# KiCad board VGA.kicad_pcb
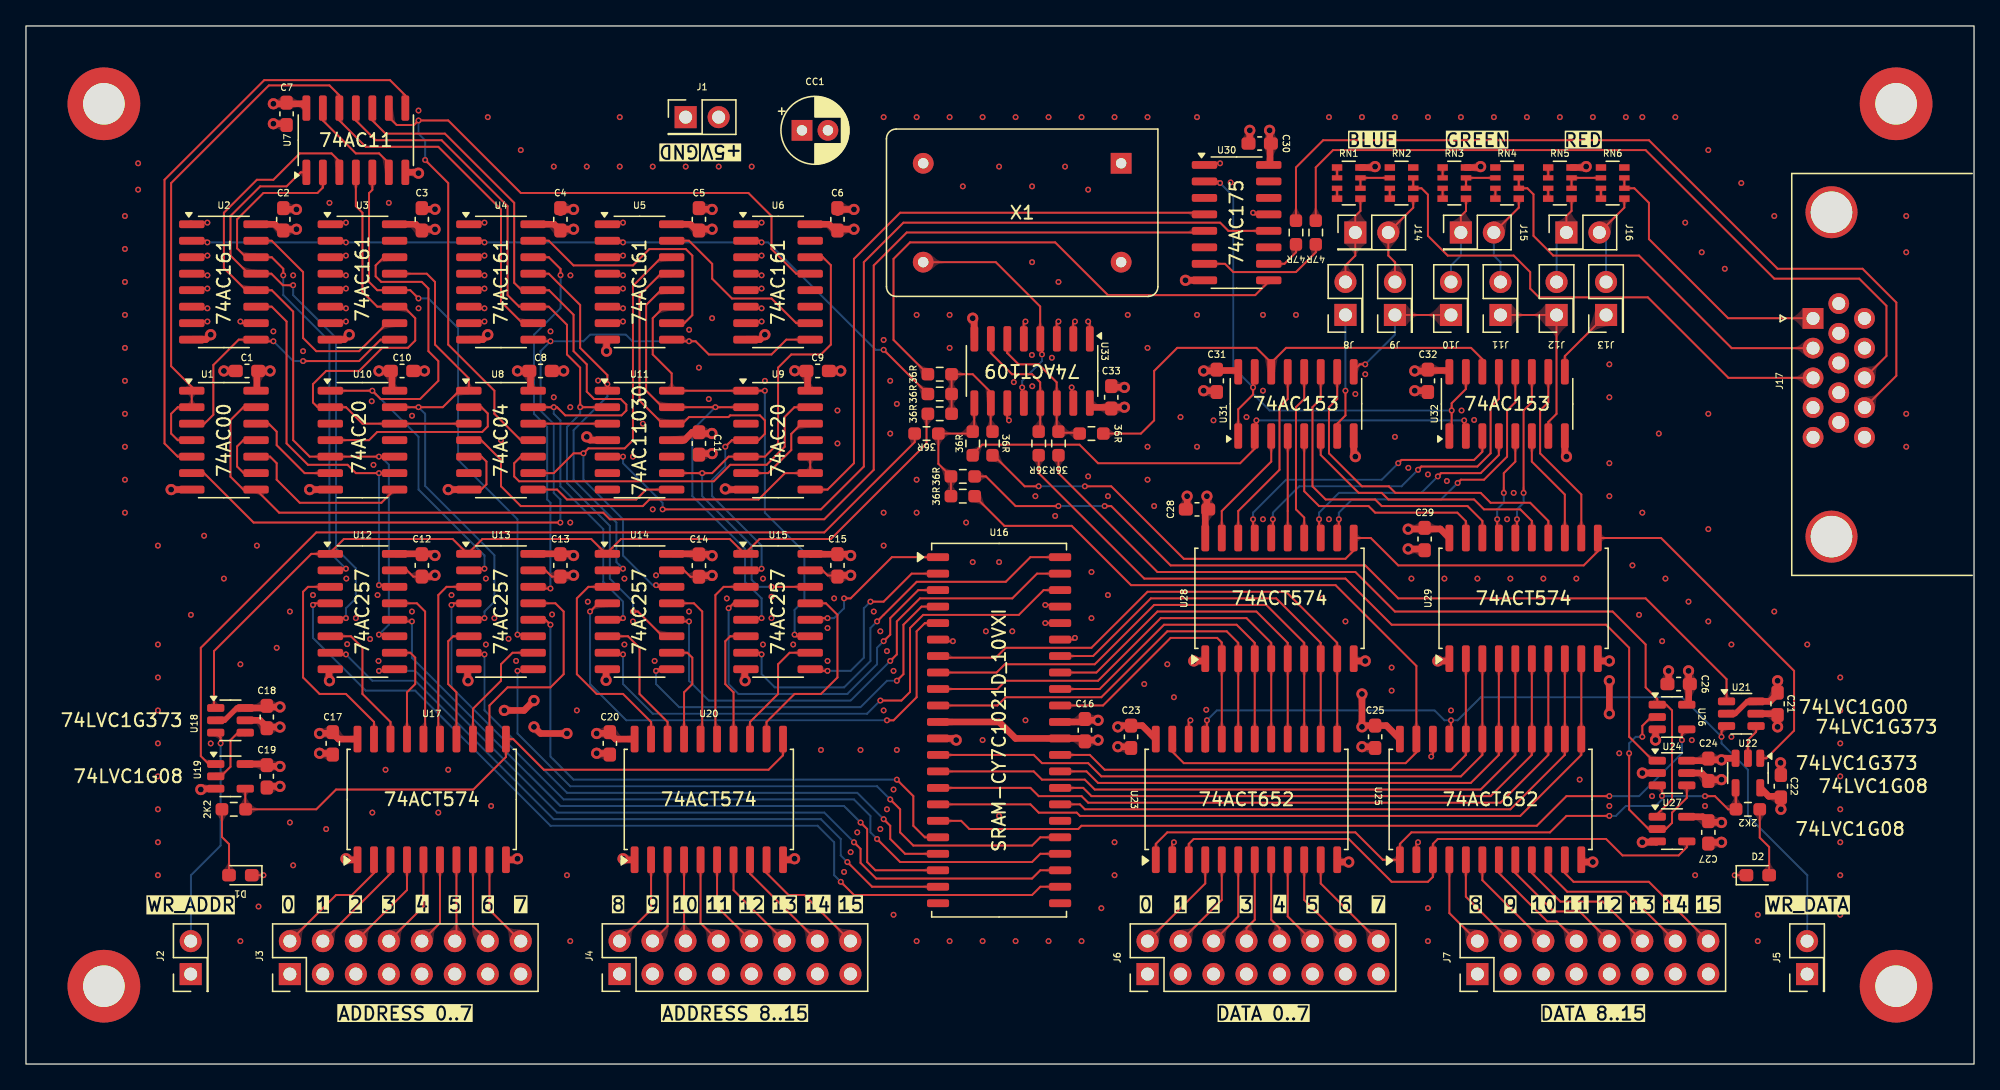
[diagram p0: board, top side]
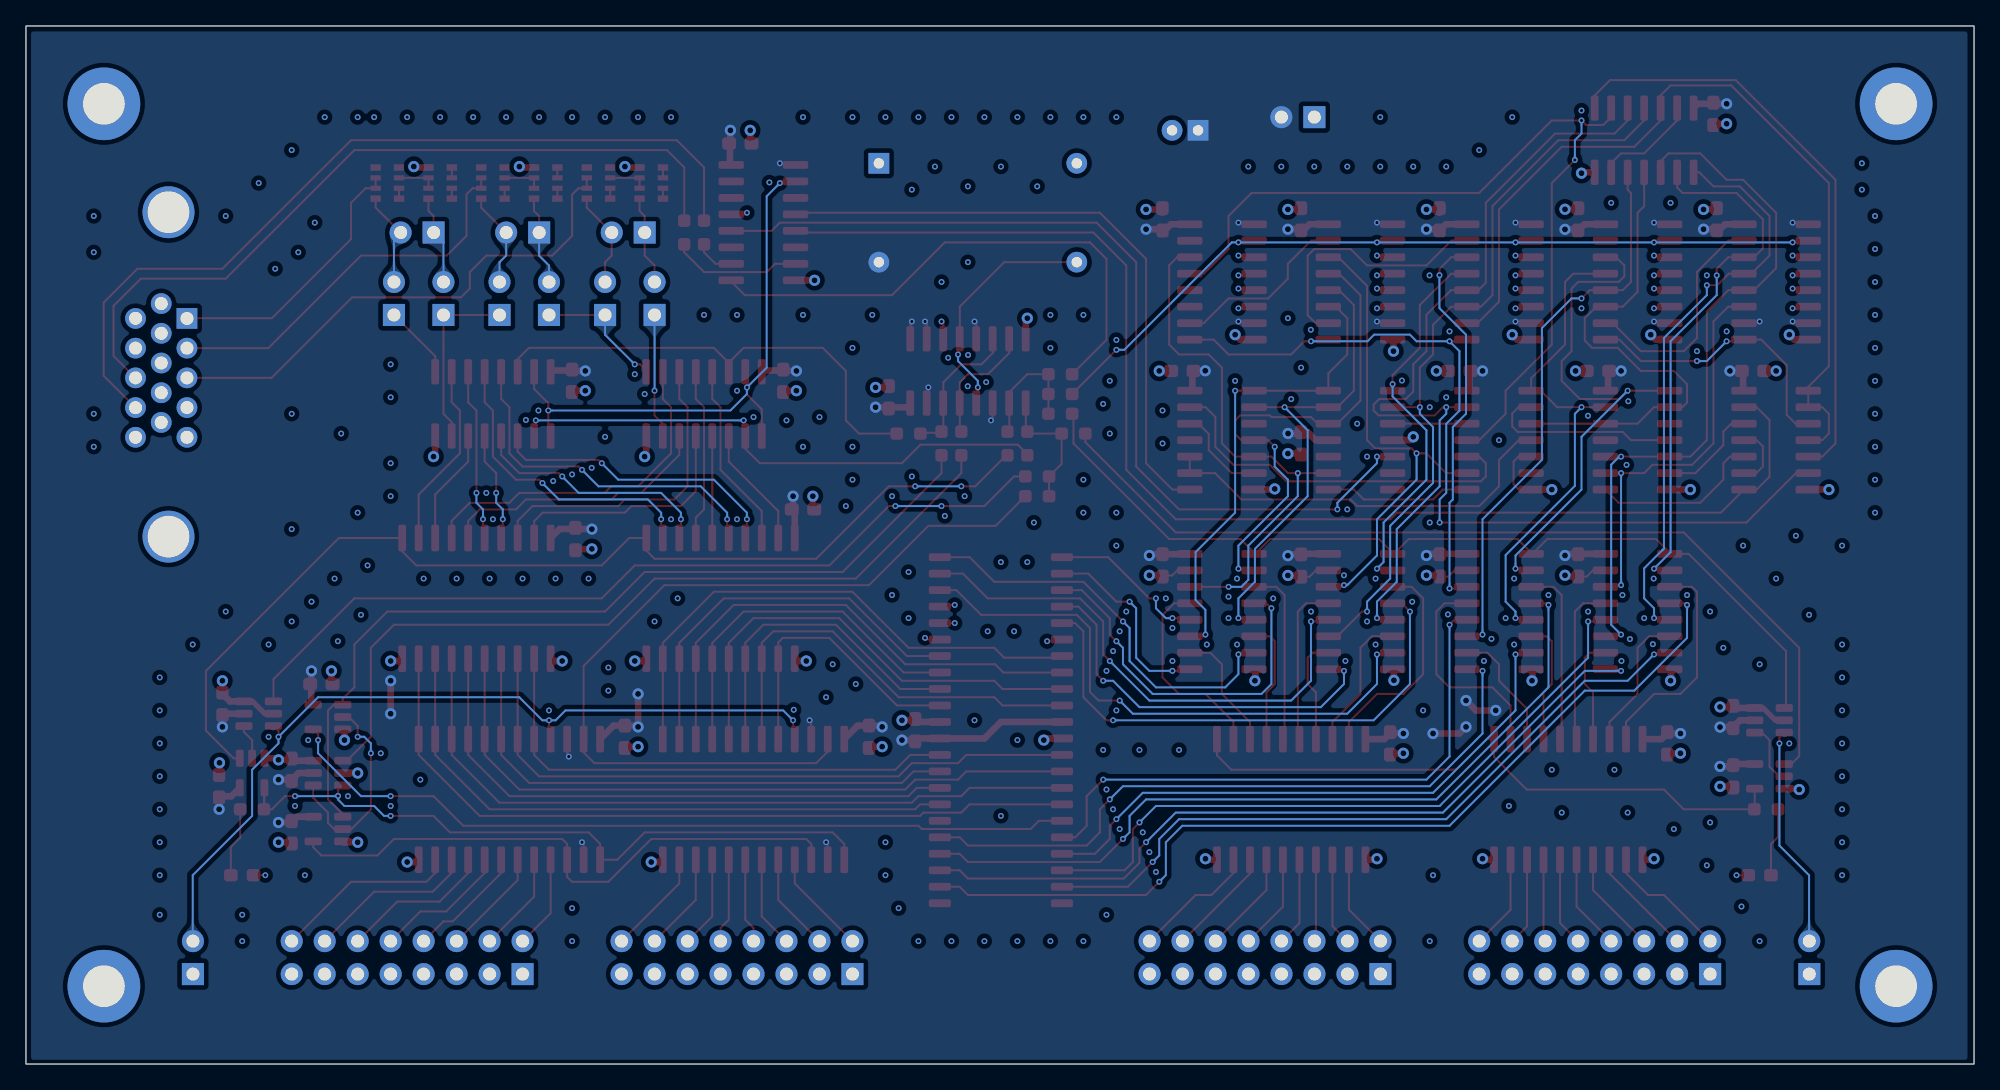
[diagram p1: board, bottom side, seen from below]

Outline 150 x 80 mm; copper layers: Signal, F.GND (plane), B.GND (plane), Signal & Power. Coordinates in mm from the lower left corner of the outline.
Outline path: rectangle 0,80 150,0
Stack: Signal 0.035mm / dielectric 0.1mm FR4 er 4.5 / F.GND 0.035mm / dielectric 1.24mm FR4 er 4.5 / B.GND 0.035mm / dielectric 0.1mm FR4 er 4.5 / Signal & Power 0.035mm

## Placement (name value [footprint] x y rotation side)
C1  22n  [C_0603_1608Metric_Pad1.08x0.95mm_HandSolder]  17.02 53.41 180 top
C2  22n  [C_0603_1608Metric_Pad1.08x0.95mm_HandSolder]  19.81 65.1 90 top
C3  22n  [C_0603_1608Metric_Pad1.08x0.95mm_HandSolder]  30.48 65.1 90 top
C4  22n  [C_0603_1608Metric_Pad1.08x0.95mm_HandSolder]  41.15 65.1 90 top
C5  22n  [C_0603_1608Metric_Pad1.08x0.95mm_HandSolder]  51.82 65.1 90 top
C6  22n  [C_0603_1608Metric_Pad1.08x0.95mm_HandSolder]  62.48 65.1 90 top
C7  22n  [C_0603_1608Metric_Pad1.08x0.95mm_HandSolder]  20.07 73.23 270 top
C8  22n  [C_0603_1608Metric_Pad1.08x0.95mm_HandSolder]  39.62 53.41 0 top
C9  22n  [C_0603_1608Metric_Pad1.08x0.95mm_HandSolder]  60.96 53.41 0 top
C10  22n  [C_0603_1608Metric_Pad1.08x0.95mm_HandSolder]  28.96 53.41 0 top
C11  22n  [C_0603_1608Metric_Pad1.08x0.95mm_HandSolder]  51.82 47.83 270 top
C12  22n  [C_0603_1608Metric_Pad1.08x0.95mm_HandSolder]  30.48 38.43 270 top
C13  22n  [C_0603_1608Metric_Pad1.08x0.95mm_HandSolder]  41.15 38.43 270 top
C14  22n  [C_0603_1608Metric_Pad1.08x0.95mm_HandSolder]  51.82 38.41 270 top
C15  22n  [C_0603_1608Metric_Pad1.08x0.95mm_HandSolder]  62.48 38.43 270 top
C16  22n  [C_0603_1608Metric_Pad1.08x0.95mm_HandSolder]  81.53 25.73 90 top
C17  22n  [C_0603_1608Metric_Pad1.08x0.95mm_HandSolder]  23.62 24.71 270 top
C18  22n  [C_0603_1608Metric_Pad1.08x0.95mm_HandSolder]  18.54 26.74 90 top
C19  22n  [C_0603_1608Metric_Pad1.08x0.95mm_HandSolder]  18.54 22.17 270 top
C20  22n  [C_0603_1608Metric_Pad1.08x0.95mm_HandSolder]  44.96 24.71 270 top
C21  22n  [C_0603_1608Metric_Pad1.08x0.95mm_HandSolder]  134.87 27.76 90 top
C22  22n  [C_0603_1608Metric_Pad1.08x0.95mm_HandSolder]  135.13 21.41 90 top
C23  22n  [C_0603_1608Metric_Pad1.08x0.95mm_HandSolder]  85.09 25.22 270 top
C24  22n  [C_0603_1608Metric_Pad1.08x0.95mm_HandSolder]  129.54 22.68 90 top
C25  22n  [C_0603_1608Metric_Pad1.08x0.95mm_HandSolder]  103.89 25.22 270 top
C26  22n  [C_0603_1608Metric_Pad1.08x0.95mm_HandSolder]  127.25 29.28 180 top
C27  22n  [C_0603_1608Metric_Pad1.08x0.95mm_HandSolder]  129.54 17.85 270 top
C28  22n  [C_0603_1608Metric_Pad1.08x0.95mm_HandSolder]  90.17 42.75 180 top
C29  22n  [C_0603_1608Metric_Pad1.08x0.95mm_HandSolder]  107.7 40.46 270 top
C30  22n  [C_0603_1608Metric_Pad1.08x0.95mm_HandSolder]  95 70.94 180 top
C31  22n  [C_0603_1608Metric_Pad1.08x0.95mm_HandSolder]  91.69 52.65 270 top
C32  22n  [C_0603_1608Metric_Pad1.08x0.95mm_HandSolder]  107.95 52.65 270 top
C33  22n  [C_0603_1608Metric_Pad1.08x0.95mm_HandSolder]  83.57 51.38 90 top
CC1  22uF  [CP_Radial_D5.0mm_P2.00mm]  59.75 71.96 0 top
D1  LED  [LED_0603_1608Metric_Pad1.05x0.95mm_HandSolder]  16.51 14.55 180 top
D2  LED  [LED_0603_1608Metric_Pad1.05x0.95mm_HandSolder]  133.35 14.55 0 top
H1  MountingHole  [MountingHole_3.2mm_M3_DIN965_Pad]  6 74 0 top
H2  MountingHole  [MountingHole_3.2mm_M3_DIN965_Pad]  144 74 0 top
H3  MountingHole  [MountingHole_3.2mm_M3_DIN965_Pad]  144 6 0 top
H4  MountingHole  [MountingHole_3.2mm_M3_DIN965_Pad]  6 6 0 top
J1  Conn_02x01  [PinHeader_2x01_P2.54mm_Vertical]  50.8 72.97 0 top
J2  Conn_02x01  [PinHeader_2x01_P2.54mm_Vertical]  12.69 6.93 90 top
J3  Conn_02x08_Odd_Even  [PinHeader_2x08_P2.54mm_Vertical]  20.32 6.93 90 top
J4  Conn_02x08_Odd_Even  [PinHeader_2x08_P2.54mm_Vertical]  45.71 6.94 90 top
J5  Conn_02x01  [PinHeader_2x01_P2.54mm_Vertical]  137.15 6.93 90 top
J6  Conn_02x08_Odd_Even  [PinHeader_2x08_P2.54mm_Vertical]  86.36 6.93 90 top
J7  Conn_02x08_Odd_Even  [PinHeader_2x08_P2.54mm_Vertical]  111.76 6.93 90 top
J8  Conn_02x01  [PinHeader_2x01_P2.54mm_Vertical]  101.6 57.73 90 top
J9  Conn_02x01  [PinHeader_2x01_P2.54mm_Vertical]  105.41 57.73 90 top
J10  Conn_02x01  [PinHeader_2x01_P2.54mm_Vertical]  109.73 57.73 90 top
J11  Conn_02x01  [PinHeader_2x01_P2.54mm_Vertical]  113.54 57.73 90 top
J12  Conn_02x01  [PinHeader_2x01_P2.54mm_Vertical]  117.86 57.73 90 top
J13  Conn_02x01  [PinHeader_2x01_P2.54mm_Vertical]  121.67 57.73 90 top
J14  Conn_02x01  [PinHeader_2x01_P2.54mm_Vertical]  102.36 64.08 0 top
J15  Conn_02x01  [PinHeader_2x01_P2.54mm_Vertical]  110.49 64.08 0 top
J16  Conn_02x01  [PinHeader_2x01_P2.54mm_Vertical]  118.61 64.08 0 top
J17  DE15_Receptacle_HighDensity  [DSUB-15-HD_Female_Horizontal_P2.29x1.98mm_EdgePinOffset8.35mm_Housed_MountingHolesOffset10.89mm]  137.61 57.46 90 top
R1  2K2  [Meu-R_0603_1608Metric_Pad0.98x0.95mm_HandSolder]  16 19.63 0 top
R2  2K2  [Meu-R_0603_1608Metric_Pad0.98x0.95mm_HandSolder]  132.59 19.63 180 top
R3  47R  [Meu-R_0603_1608Metric_Pad0.98x0.95mm_HandSolder]  99.31 64.08 90 top
R4  47R  [Meu-R_0603_1608Metric_Pad0.98x0.95mm_HandSolder]  97.79 64.08 90 top
R5  36R  [Meu-R_0603_1608Metric_Pad0.98x0.95mm_HandSolder]  70.36 51.64 180 top
R6  36R  [Meu-R_0603_1608Metric_Pad0.98x0.95mm_HandSolder]  70.36 50.11 180 top
R7  36R  [Meu-R_0603_1608Metric_Pad0.98x0.95mm_HandSolder]  74.42 47.83 270 top
R8  36R  [Meu-R_0603_1608Metric_Pad0.98x0.95mm_HandSolder]  70.36 53.16 180 top
R9  36R  [Meu-R_0603_1608Metric_Pad0.98x0.95mm_HandSolder]  72.14 45.29 0 top
R10  36R  [Meu-R_0603_1608Metric_Pad0.98x0.95mm_HandSolder]  69.34 48.59 180 top
R11  36R  [Meu-R_0603_1608Metric_Pad0.98x0.95mm_HandSolder]  72.14 43.76 0 top
R12  36R  [Meu-R_0603_1608Metric_Pad0.98x0.95mm_HandSolder]  72.9 47.83 270 top
R13  36R  [Meu-R_0603_1608Metric_Pad0.98x0.95mm_HandSolder]  79.5 47.83 270 top
R14  36R  [Meu-R_0603_1608Metric_Pad0.98x0.95mm_HandSolder]  82.04 48.59 0 top
R15  36R  [Meu-R_0603_1608Metric_Pad0.98x0.95mm_HandSolder]  77.98 47.83 270 top
RN1  330  [R_Array_Convex_4x0603]  101.85 67.89 0 top
RN2  330  [R_Array_Convex_4x0603]  105.92 67.89 0 top
RN3  330  [R_Array_Convex_4x0603]  109.98 67.89 0 top
RN4  330  [R_Array_Convex_4x0603]  114.05 67.89 0 top
RN5  330  [R_Array_Convex_4x0603]  118.11 67.89 0 top
RN6  330  [R_Array_Convex_4x0603]  122.17 67.89 0 top
U1  74AC00  [SOIC-14_3.9x8.7mm_P1.27mm]  15.24 48.08 0 top
U2  74AC161  [SOIC-16_3.9x9.9mm_P1.27mm]  15.24 60.27 0 top
U3  74AC161  [SOIC-16_3.9x9.9mm_P1.27mm]  25.91 60.27 0 top
U4  74AC161  [SOIC-16_3.9x9.9mm_P1.27mm]  36.58 60.27 0 top
U5  74AC161  [SOIC-16_3.9x9.9mm_P1.27mm]  47.24 60.27 0 top
U6  74AC161  [SOIC-16_3.9x9.9mm_P1.27mm]  57.91 60.27 0 top
U7  74AC11  [SOIC-14_3.9x8.7mm_P1.27mm]  25.4 71.19 90 top
U8  74AC04  [SOIC-14_3.9x8.7mm_P1.27mm]  36.58 48.08 0 top
U9  74AC20  [SOIC-14_3.9x8.7mm_P1.27mm]  57.91 48.08 0 top
U10  74AC20  [SOIC-14_3.9x8.7mm_P1.27mm]  25.91 48.08 0 top
U11  74AC11030  [SOIC-14_3.9x8.7mm_P1.27mm]  47.24 48.08 0 top
U12  74AC257  [SOIC-16_3.9x9.9mm_P1.27mm]  25.91 34.87 0 top
U13  74AC257  [SOIC-16_3.9x9.9mm_P1.27mm]  36.58 34.87 0 top
U14  74AC257  [SOIC-16_3.9x9.9mm_P1.27mm]  47.24 34.87 0 top
U15  74AC257  [SOIC-16_3.9x9.9mm_P1.27mm]  57.91 34.87 0 top
U16  SRAM-CY7C1021D_10VXI  [SOJ-44_10.2x28.6mm_P1.27mm]  74.93 25.73 0 top
U17  74ACT574  [SOIC-20W_7.5x12.8mm_P1.27mm]  31.24 20.39 90 top
U18  74LVC1G373  [SOT-23-6]  15.75 26.49 0 top
U19  74LVC1G08  [SOT-23-5]  15.75 22.17 0 top
U20  74ACT574  [SOIC-20W_7.5x12.8mm_P1.27mm]  52.58 20.39 90 top
U21  74LVC1G373  [SOT-23-6]  132.08 27 0 top
U22  74LVC1G08  [SOT-23-5]  132.59 22.43 270 top
U23  74ACT652  [SOIC-24W_7.5x15.4mm_P1.27mm]  93.98 20.39 90 top
U24  74LVC1G373  [SOT-23-6]  126.75 22.43 0 top
U25  74ACT652  [SOIC-24W_7.5x15.4mm_P1.27mm]  112.78 20.39 90 top
U26  74LVC1G00  [SOT-23-5]  126.75 26.74 0 top
U27  74LVC1G08  [SOT-23-5]  126.75 18.11 0 top
U28  74ACT574  [SOIC-20W_7.5x12.8mm_P1.27mm]  96.52 35.89 90 top
U29  74ACT574  [SOIC-20W_7.5x12.8mm_P1.27mm]  115.32 35.89 90 top
U30  74AC175  [SOIC-16_3.9x9.9mm_P1.27mm]  93.22 64.84 0 top
U31  74AC153  [SOIC-16_3.9x9.9mm_P1.27mm]  97.79 50.87 90 top
U32  74AC153  [SOIC-16_3.9x9.9mm_P1.27mm]  114.05 50.87 90 top
U33  74ACT109  [SOIC-16_3.9x9.9mm_P1.27mm]  77.47 53.41 270 top
X1  ECS-100A-251.7  [Oscillator_DIP-14]  84.33 69.42 180 top

## Library data of the parts
C1-C33 = -: Description: Unpolarized capacitor; LCSC Part #: C277528; ki_fp_filters: C_*
CC1 = -: Description: Polarized capacitor; Sim.Device: C; Sim.Pins: 1=+ 2=-; ki_fp_filters: CP_*
D1 D2 = -: Description: Light emitting diode; LCSC Part #: C193902; ki_fp_filters: LED* LED_SMD:* LED_THT:*
H1-H4 = -: Description: Mounting Hole without connection; ki_fp_filters: MountingHole*
J1 J2 J5 J8-J16 = -: Description: Generic connector, double row, 02x01, this symbol is compatible with counter-clockwise, top-bottom and odd-even numbering schemes., script generated (kicad-library-utils/schlib/autogen/connector/); ki_fp_filters: Connector*:*_2x??_*
J3 J4 J6 J7 = -: Description: Generic connector, double row, 02x08, odd/even pin numbering scheme (row 1 odd numbers, row 2 even numbers), script generated (kicad-library-utils/schlib/autogen/connector/); LCSC Part #: C24328; ki_fp_filters: Connector*:*_2x??_*
J17 = -: Description: 15-pin female receptacle socket D-SUB connector, High density (3 columns), Triple Row, Generic, VGA-connector; ki_fp_filters: DSUB*Female*
R1 R2 = -: Description: Resistor; LCSC Part #: no_C23162; ki_fp_filters: R_*
R3-R15 = -: Description: Resistor; ki_fp_filters: R_*
RN1-RN6 = -: Description: 4 resistor network, parallel topology, split; LCSC Part #: C425216; ki_fp_filters: DIP* SOIC* R*Array*Concave* R*Array*Convex*
U1 = -: Datasheet: http://www.ti.com/lit/gpn/sn74hct00; Description: quad 2-input NAND gate; ki_fp_filters: DIP*W7.62mm* SO14*
U2-U6 = -: Datasheet: http://www.ti.com/lit/gpn/sn74LS161; Description: Synchronous 4-bit programmable binary Counter; ki_fp_filters: DIP?16*
U7 = -: Datasheet: http://www.ti.com/lit/gpn/sn74LS11; Description: Triple 3-input AND; ki_fp_filters: DIP*W7.62mm*
U8 = -: Datasheet: https://assets.nexperia.com/documents/data-sheet/74AHC_AHCT04.pdf; Description: Hex Inverter; ki_fp_filters: DIP*W7.62mm* SSOP?14* TSSOP?14*
U9 U10 = -: Datasheet: http://www.ti.com/lit/gpn/sn74LS20; Description: Dual 4-input NAND; ki_fp_filters: DIP?12*
U11 = -: Datasheet: http://www.ti.com/lit/gpn/sn74LS30; Description: 8-input NAND; ki_fp_filters: DIP*W7.62mm*
U12-U15 = -: Datasheet: http://www.ti.com/lit/gpn/sn74LS257; Description: Quad 2 to 1 line Multiplexer; ki_fp_filters: DIP?16*
U16 = -: Datasheet: https://www.infineon.com/dgdl/Infineon-CY7C1021D-10VXI-DataSheet-v01_00-EN.pdf?fileId=8ac78c8c88704c7a0188765884e736bb; Description: 128K x 8 High-Speed CMOS Static RAM, 55/70ns, TSOP-I-32; ki_fp_filters: TSOP?I*11.8x8mm*P0.5mm* TSOP?I*18.4x8mm*P0.5mm*
U17 U20 U28 U29 = -: Datasheet: http://www.ti.com/lit/gpn/sn74HCT574; Description: 8-bit Register, 3-state outputs; ki_fp_filters: DIP?20*
U18 U21 U24 = -: Datasheet: http://www.ti.com/lit/sg/scyt129e/scyt129e.pdf; Description: Single D Latch, Low-Voltage CMOS; ki_fp_filters: SOT* SC*
U19 U22 U27 = -: Datasheet: https://www.ti.com/lit/ds/symlink/sn74lvc1g08.pdf; Description: Single AND Gate, Low-Voltage CMOS; ki_fp_filters: SOT?23* Texas?R-PDSO-G5?DCK* Texas?R-PDSO-N5?DRL* Texas?X2SON*0.8x0.8mm*P0.48mm*
U23 U25 = -: Datasheet: http://www.ti.com/lit/gpn/sn74HCT652; Description: Octal 3-State Bus Transceivers and D Flip-Flops; ki_fp_filters: DIP?20*
U26 = -: Datasheet: https://www.ti.com/lit/ds/symlink/sn74lvc1g00.pdf; Description: Single NAND Gate, Low-Voltage CMOS; ki_fp_filters: SOT?23* Texas?R-PDSO-G5?DCK* Texas?R-PDSO-N5?DRL* Texas?X2SON*0.8x0.8mm*P0.48mm*
U30 = -: Datasheet: http://www.ti.com/lit/gpn/sn74LS175; Description: 4-bit D Flip-Flop, reset; ki_fp_filters: DIP?16*
U31 U32 = -: Datasheet: http://www.ti.com/lit/gpn/sn74LS153; Description: Dual Multiplexer 4 to 1; ki_fp_filters: DIP?16*
U33 = -: Datasheet: http://www.ti.com/lit/gpn/sn74LS109; Description: Dual JK Flip-Flop, Set & Reset; ki_fp_filters: DIP*W7.62mm*
X1 = -: Datasheet: http://www.golledge.com/pdf/products/tcxos/gtxos14.pdf; Description: Temperature Compensated Crystal Clock Oscillator, DIP14-style metal package; ki_fp_filters: Oscillator*DIP*14*

## Footprints (pads in the part's own frame, mm; a bottom-side part is the same pattern mirrored in y, then rotated)
C_0603_1608Metric_Pad1.08x0.95mm_HandSolder
  rrect 1.075x0.95 smd: 1(-0.863,0) 2(0.863,0)
CP_Radial_D5.0mm_P2.00mm
  rect 1.6x1.6 hole 0.8: 1(0,0)
  round 1.6 hole 0.8: 2(2,0)
DSUB-15-HD_Female_Horizontal_P2.29x1.98mm_EdgePinOffset8.35mm_Housed_MountingHolesOffset10.89mm
  round 4 hole 3.2: 0(-16.815,-1.42) 0(8.185,-1.42)
  rect 1.6x1.6 hole 1: 1(0,0)
  round 1.6 hole 1: 2(-2.29,0) 3(-4.58,0) 4(-6.87,0) 5(-9.16,0) 6(1.145,-1.98) 7(-1.145,-1.98) 8(-3.435,-1.98) 9(-5.725,-1.98) 10(-8.015,-1.98) 11(0,-3.96) 12(-2.29,-3.96) 13(-4.58,-3.96) 14(-6.87,-3.96) 15(-9.16,-3.96)
LED_0603_1608Metric_Pad1.05x0.95mm_HandSolder
  rrect 1.05x0.95 smd: 1(-0.875,0) 2(0.875,0)
Meu-R_0603_1608Metric_Pad0.98x0.95mm_HandSolder
  rrect 0.975x0.95 smd: 1(-0.912,0) 2(0.912,0)
MountingHole_3.2mm_M3_DIN965_Pad
  round 5.6 hole 3.2: 1(0,0)
Oscillator_DIP-14
  rect 1.6x1.6 hole 0.8: 1(0,0)
  round 1.6 hole 0.8: 7(15.24,0) 8(15.24,7.62) 14(0,7.62)
PinHeader_2x01_P2.54mm_Vertical
  rect 1.7x1.7 hole 1: 1(0,0)
  oval 1.7x1.7 hole 1: 2(2.54,0)
PinHeader_2x08_P2.54mm_Vertical
  rect 1.7x1.7 hole 1: 1(0,0)
  oval 1.7x1.7 hole 1: 2(2.54,0) 3(0,-2.54) 4(2.54,-2.54) 5(0,-5.08) 6(2.54,-5.08) 7(0,-7.62) 8(2.54,-7.62) 9(0,-10.16) 10(2.54,-10.16) 11(0,-12.7) 12(2.54,-12.7) 13(0,-15.24) 14(2.54,-15.24) 15(0,-17.78) 16(2.54,-17.78)
R_Array_Convex_4x0603
  rect 0.8x0.5 smd: 1(-0.9,1.2) 4(-0.9,-1.2) 5(0.9,-1.2) 8(0.9,1.2)
  rect 0.8x0.4 smd: 2(-0.9,0.4) 3(-0.9,-0.4) 6(0.9,-0.4) 7(0.9,0.4)
SOIC-14_3.9x8.7mm_P1.27mm
  rrect 1.95x0.6 smd: 1(-2.475,3.81) 2(-2.475,2.54) 3(-2.475,1.27) 4(-2.475,0) 5(-2.475,-1.27) 6(-2.475,-2.54) 7(-2.475,-3.81) 8(2.475,-3.81) 9(2.475,-2.54) 10(2.475,-1.27) 11(2.475,0) 12(2.475,1.27) 13(2.475,2.54) 14(2.475,3.81)
SOIC-16_3.9x9.9mm_P1.27mm
  rrect 1.95x0.6 smd: 1(-2.475,4.445) 2(-2.475,3.175) 3(-2.475,1.905) 4(-2.475,0.635) 5(-2.475,-0.635) 6(-2.475,-1.905) 7(-2.475,-3.175) 8(-2.475,-4.445) 9(2.475,-4.445) 10(2.475,-3.175) 11(2.475,-1.905) 12(2.475,-0.635) 13(2.475,0.635) 14(2.475,1.905) 15(2.475,3.175) 16(2.475,4.445)
SOIC-20W_7.5x12.8mm_P1.27mm
  rrect 2.05x0.6 smd: 1(-4.65,5.715) 2(-4.65,4.445) 3(-4.65,3.175) 4(-4.65,1.905) 5(-4.65,0.635) 6(-4.65,-0.635) 7(-4.65,-1.905) 8(-4.65,-3.175) 9(-4.65,-4.445) 10(-4.65,-5.715) 11(4.65,-5.715) 12(4.65,-4.445) 13(4.65,-3.175) 14(4.65,-1.905) 15(4.65,-0.635) 16(4.65,0.635) 17(4.65,1.905) 18(4.65,3.175) 19(4.65,4.445) 20(4.65,5.715)
SOIC-24W_7.5x15.4mm_P1.27mm
  rrect 2.05x0.6 smd: 1(-4.65,6.985) 2(-4.65,5.715) 3(-4.65,4.445) 4(-4.65,3.175) 5(-4.65,1.905) 6(-4.65,0.635) 7(-4.65,-0.635) 8(-4.65,-1.905) 9(-4.65,-3.175) 10(-4.65,-4.445) 11(-4.65,-5.715) 12(-4.65,-6.985) 13(4.65,-6.985) 14(4.65,-5.715) 15(4.65,-4.445) 16(4.65,-3.175) 17(4.65,-1.905) 18(4.65,-0.635) 19(4.65,0.635) 20(4.65,1.905) 21(4.65,3.175) 22(4.65,4.445) 23(4.65,5.715) 24(4.65,6.985)
SOJ-44_10.2x28.6mm_P1.27mm
  rrect 1.7x0.6 smd: 1(-4.701,13.335) 2(-4.701,12.065) 3(-4.701,10.795) 4(-4.701,9.525) 5(-4.701,8.255) 6(-4.701,6.985) 7(-4.701,5.715) 8(-4.701,4.445) 9(-4.701,3.175) 10(-4.701,1.905) 11(-4.701,0.635) 12(-4.701,-0.635) 13(-4.701,-1.905) 14(-4.701,-3.175) 15(-4.701,-4.445) 16(-4.701,-5.715) 17(-4.701,-6.985) 18(-4.701,-8.255) 19(-4.701,-9.525) 20(-4.701,-10.795) 21(-4.701,-12.065) 22(-4.701,-13.335) 23(4.699,-13.335) 24(4.699,-12.065) 25(4.699,-10.795) 26(4.699,-9.525) 27(4.699,-8.255) 28(4.699,-6.985) 29(4.699,-5.715) 30(4.699,-4.445) 31(4.699,-3.175) 32(4.699,-1.905) 33(4.699,-0.635) 34(4.699,0.635) 35(4.699,1.905) 36(4.699,3.175) 37(4.699,4.445) 38(4.699,5.715) 39(4.699,6.985) 40(4.699,8.255) 41(4.699,9.525) 42(4.699,10.795) 43(4.699,12.065) 44(4.699,13.335)
SOT-23-5
  rrect 1.325x0.6 smd: 1(-1.137,0.95) 2(-1.137,0) 3(-1.137,-0.95) 4(1.137,-0.95) 5(1.137,0.95)
SOT-23-6
  rrect 1.325x0.6 smd: 1(-1.137,0.95) 2(-1.137,0) 3(-1.137,-0.95) 4(1.137,-0.95) 5(1.137,0) 6(1.137,0.95)

## Nets
GND: C1.2 C2.2 C3.2 C4.2 C5.2 C6.2 C7.2 C8.2 C9.2 C10.2 C11.2 C12.2 C13.2 C14.2 C15.2 C16.2 C17.2 C18.2 C19.2 C20.2 C21.2 C22.2 C23.2 C24.2 C25.2 C26.2 C27.2 C28.2 C29.2 C30.2 C31.2 C32.2 C33.2 CC1.2 D1.1 D2.1 J1.1 J2.1 J3.1 J3.3 J3.5 J3.7 J3.9 J3.11 J3.13 J3.15 J4.1 J4.3 J4.5 J4.7 J4.9 J4.11 J4.13 J4.15 J5.1 J6.1 J6.3 J6.5 J6.7 J6.9 J6.11 J6.13 J6.15 J7.1 J7.3 J7.5 J7.7 J7.9 J7.11 J7.13 J7.15 J17.5 J17.6 J17.7 J17.8 J17.10 RN1.8 RN3.8 RN5.8 U1.7 U2.3 U2.4 U2.5 U2.6 U2.8 U3.3 U3.4 U3.5 U3.6 U3.8 U4.3 U4.4 U4.5 U4.6 U4.8 U5.3 U5.4 U5.5 U5.6 U5.8 U6.3 U6.4 U6.5 U6.6 U6.8 U7.7 U8.5 U8.7 U9.7 U10.7 U11.4 U12.8 U12.15 U13.8 U13.15 U14.8 U14.15 U15.8 U15.15 U16.6 U16.12 U16.34 U16.39 U16.40 U16.41 U17.1 U17.10 U18.2 U18.6 U19.3 U20.1 U20.10 U21.2 U21.6 U22.3 U23.12 U24.2 U24.6 U25.12 U26.3 U27.3 U28.1 U28.10 U29.1 U29.10 U30.8 U30.13 U31.8 U32.8 U33.3 U33.8 X1.7
VCC: C1.1 C2.1 C3.1 C4.1 C5.1 C6.1 C7.1 C8.1 C9.1 C10.1 C11.1 C12.1 C13.1 C14.1 C15.1 C16.1 C17.1 C18.1 C19.1 C20.1 C21.1 C22.1 C23.1 C24.1 C25.1 C26.1 C27.1 C28.1 C29.1 C30.1 C31.1 C32.1 C33.1 CC1.1 J1.2 U1.14 U2.1 U2.7 U2.10 U2.16 U3.1 U3.7 U3.16 U4.1 U4.7 U4.16 U5.1 U5.7 U5.16 U6.1 U6.7 U6.16 U7.14 U8.14 U9.14 U10.14 U11.11 U12.16 U13.16 U14.16 U15.16 U16.11 U16.33 U17.20 U18.5 U19.5 U20.20 U21.5 U22.5 U23.2 U23.22 U23.24 U24.5 U25.2 U25.22 U25.24 U26.5 U27.5 U28.20 U29.20 U30.1 U30.16 U31.16 U32.16 U33.1 U33.2 U33.5 U33.11 U33.15 U33.16 X1.14
6.25 MHZ: R5.1 R6.1 R7.1 R8.1 U33.10
6.25 MHZ A: R5.2 U2.2 U3.2 U4.2 U5.2 U6.2
6.25 MHZ B: R6.2 U12.1 U13.1 U14.1 U15.1 U18.1
6.25 MHZ C: R7.2 U22.1 U28.11 U29.11
6.25 MHZ D: R8.2 U30.9
12.5 MHZ: R13.1 R14.1 U33.6 U33.14
12.5 MHZ A: R13.2 U26.1 U27.1
12.5 MHZ B: R14.2 U31.14 U32.14
/6.25 MHZ: R9.1 R10.1 R11.1 R12.1 U33.9
/6.25 MHZ A: R9.2 U21.1
/6.25 MHZ B: R10.2 U19.1
/6.25 MHZ C: R11.2 U23.23 U25.23
/6.25 MHZ D: R12.2 U31.2 U32.2
/12.5 MHZ: R15.1 U33.7 U33.13
/12.5 MHZ A: R15.2 U24.1
/CLOCK GENERATOR/25.175 MHZ: U33.4 U33.12 X1.8
/FRAME BUFFER/VRAM_ADDR0: U12.4 U16.24
/FRAME BUFFER/VRAM_ADDR1: U12.7 U16.21
/FRAME BUFFER/VRAM_ADDR2: U12.9 U16.25
/FRAME BUFFER/VRAM_ADDR3: U12.12 U16.20
/FRAME BUFFER/VRAM_ADDR4: U13.4 U16.26
/FRAME BUFFER/VRAM_ADDR5: U13.7 U16.19
/FRAME BUFFER/VRAM_ADDR6: U13.9 U16.27
/FRAME BUFFER/VRAM_ADDR7: U13.12 U16.18
/FRAME BUFFER/VRAM_ADDR8: U14.4 U16.5
/FRAME BUFFER/VRAM_ADDR9: U14.7 U16.42
/FRAME BUFFER/VRAM_ADDR10: U14.9 U16.4
/FRAME BUFFER/VRAM_ADDR11: U14.12 U16.43
/FRAME BUFFER/VRAM_ADDR12: U15.4 U16.3
/FRAME BUFFER/VRAM_ADDR13: U15.7 U16.44
/FRAME BUFFER/VRAM_ADDR14: U15.9 U16.2
/FRAME BUFFER/VRAM_ADDR15: U15.12 U16.1
/INTERFACE/A0: J3.2 U17.2
/INTERFACE/A1: J3.4 U17.3
/INTERFACE/A2: J3.6 U17.4
/INTERFACE/A3: J3.8 U17.5
/INTERFACE/A4: J3.10 U17.6
/INTERFACE/A5: J3.12 U17.7
/INTERFACE/A6: J3.14 U17.8
/INTERFACE/A7: J3.16 U17.9
/INTERFACE/A8: J4.2 U20.2
/INTERFACE/A9: J4.4 U20.3
/INTERFACE/A10: J4.6 U20.4
/INTERFACE/A11: J4.8 U20.5
/INTERFACE/A12: J4.10 U20.6
/INTERFACE/A13: J4.12 U20.7
/INTERFACE/A14: J4.14 U20.8
/INTERFACE/A15: J4.16 U20.9
/INTERFACE/CK_ADDR: R1.2 U17.11 U19.4 U20.11
/INTERFACE/CK_DTA: R2.2 U22.4 U23.1 U24.3 U25.1
/INTERFACE/D0: J6.2 U23.4
/INTERFACE/D1: J6.4 U23.5
/INTERFACE/D2: J6.6 U23.6
/INTERFACE/D3: J6.8 U23.7
/INTERFACE/D4: J6.10 U23.8
/INTERFACE/D5: J6.12 U23.9
/INTERFACE/D6: J6.14 U23.10
/INTERFACE/D7: J6.16 U23.11
/INTERFACE/D8: J7.2 U25.4
/INTERFACE/D9: J7.4 U25.5
/INTERFACE/D10: J7.6 U25.6
/INTERFACE/D11: J7.8 U25.7
/INTERFACE/D12: J7.10 U25.8
/INTERFACE/D13: J7.12 U25.9
/INTERFACE/D14: J7.14 U25.10
/INTERFACE/D15: J7.16 U25.11
/INTERFACE/WR: U23.3 U25.3 U27.4
/INTERFACE/WR_ADDR: J2.2 U18.3
/INTERFACE/WR_DATA: J5.2 U21.3 U23.21 U25.21
/SYNC GENERATOR/S_ADDR6.5: U3.11 U7.4 U8.3 U10.2 U10.12
/VGA OUTPUT/BLANK: U30.2 U31.1 U31.15 U32.1 U32.15
/VGA OUTPUT/BLUE0: J8.2 J14.1 RN1.5
/VGA OUTPUT/BLUE1: J9.2 J14.2 RN2.5
/VGA OUTPUT/BLUE_OUT: J17.3 RN2.6 RN2.7
/VGA OUTPUT/GREEN0: J10.2 J15.1 RN3.5
/VGA OUTPUT/GREEN1: J11.2 J15.2 RN4.5
/VGA OUTPUT/GREEN_OUT: J17.2 RN4.6 RN4.7
/VGA OUTPUT/HSYNC_OUT: J17.13 R3.2
/VGA OUTPUT/PIXEL0_0: U29.15 U31.6
/VGA OUTPUT/PIXEL0_1: U29.14 U31.10
/VGA OUTPUT/PIXEL0_2: U29.13 U32.6
/VGA OUTPUT/PIXEL0_3: U29.12 U32.10
/VGA OUTPUT/PIXEL1_0: U29.19 U31.5
/VGA OUTPUT/PIXEL1_1: U29.18 U31.11
/VGA OUTPUT/PIXEL1_2: U29.17 U32.5
/VGA OUTPUT/PIXEL1_3: U29.16 U32.11
/VGA OUTPUT/PIXEL2_0: U28.15 U31.4
/VGA OUTPUT/PIXEL2_1: U28.14 U31.12
/VGA OUTPUT/PIXEL2_2: U28.13 U32.4
/VGA OUTPUT/PIXEL2_3: U28.12 U32.12
/VGA OUTPUT/PIXEL3_0: U28.19 U31.3
/VGA OUTPUT/PIXEL3_1: U28.18 U31.13
/VGA OUTPUT/PIXEL3_2: U28.17 U32.3
/VGA OUTPUT/PIXEL3_3: U28.16 U32.13
/VGA OUTPUT/PIXEL_OUT0: J8.1 U31.7
/VGA OUTPUT/PIXEL_OUT1: J9.1 J10.1 U31.9
/VGA OUTPUT/PIXEL_OUT2: J11.1 J12.1 U32.7
/VGA OUTPUT/PIXEL_OUT3: J13.1 U32.9